# KiCad board register-motherboard - Copy.kicad_pcb (continued)
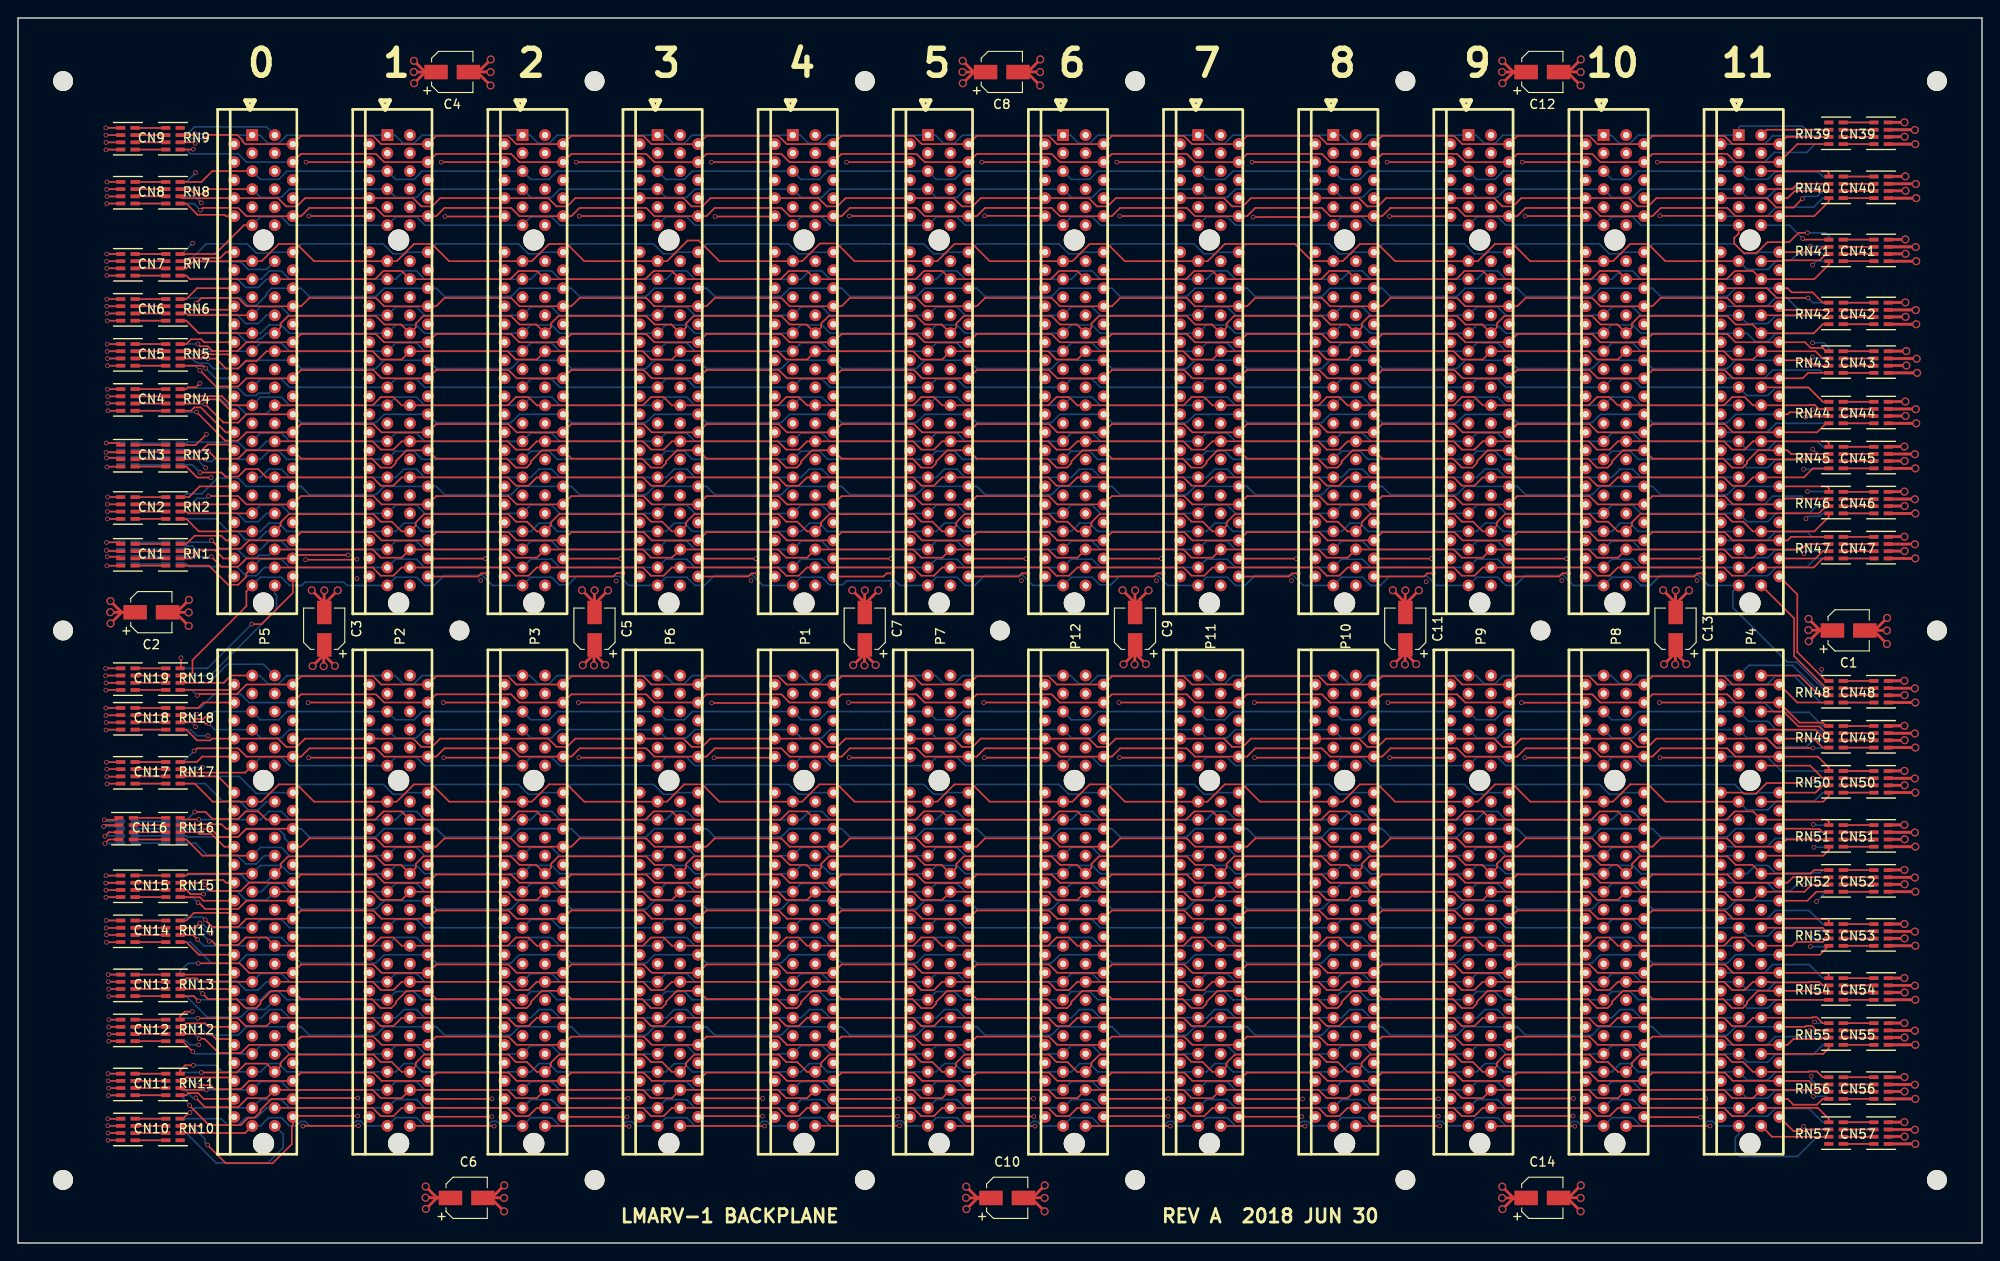
[diagram p0: board, top side]
## Routing (per net, layer and track width the routed paths; a pad name or vN(x,y) marks a point on that pad's centre or on a via; arc(x,y) is an arc through that point) (continued)
  Bottom w0.178: v1(199.04,18.52) 199.04,18.16 199.6,17.6 RN75.7
/rs2[1]: length 193.3
  Top w0.178: v1(19.45,19.73) 18.55,19.73 18,19.18 RN11.8
  Bottom w0.178: v1(19.45,19.73) 21.92,19.73 22.65,19 P5.92 26.92,19 27.84,19.92 28.94,19.92 29.86,19 P2.92 41.92,19 42.84,19.92 43.94,19.92 44.86,19 P3.92 56.92,19 57.84,19.92 58.94,19.92 59.86,19 P6.92 71.92,19 72.84,19.92 73.94,19.92 74.86,19 P1.92 86.92,19 87.84,19.92 88.94,19.92 89.86,19 P7.92 101.92,19 102.84,19.92 103.94,19.92 104.86,19 P12.92 116.92,19 117.84,19.92 118.94,19.92 119.86,19 P11.92 131.92,19 132.84,19.92 133.94,19.92 134.86,19 P10.92 146.92,19 147.84,19.92 148.94,19.92 149.86,19 P9.92 161.92,19 162.84,19.92 163.94,19.92 164.86,19 P8.92 176.92,19 177.84,19.92 178.94,19.92 179.86,19 P4.92 191.92,18.08 194.23,18.08 195.14,19 198.75,19 198.79,19.04 199.68,19.04 200.32,18.4 RN75.8
/rs2[2]: length 193.1
  Top w0.178: v1(19.4,21.25) 18.25,22.4 RN12.5
  Bottom w0.178: v1(19.4,21.25) 19.65,21 P5.90 26.92,21.92 29.23,21.92 30.14,21 P2.90 41.92,21.92 44.23,21.92 45.14,21 P3.90 56.92,21.92 59.23,21.92 60.14,21 P6.90 71.92,21.92 74.23,21.92 75.14,21 P1.90 86.92,21.92 89.23,21.92 90.14,21 P7.90 101.92,21.92 104.23,21.92 105.14,21 P12.90 116.92,21.92 119.23,21.92 120.14,21 P11.90 131.92,21.92 134.23,21.92 135.14,21 P10.90 146.92,21.92 149.23,21.92 150.14,21 P9.90 161.92,21.92 164.23,21.92 165.14,21 P8.90 176.92,21.92 179.23,21.92 180.14,21 P4.90 191.92,20.08 194.23,20.08 195.06,20.92 199.24,20.92 200.32,22 RN74.5
/rs2[3]: length 192.3
  Top w0.178: P5.89 23.35,22.65 21.99,22.65 21.44,23.2 RN12.6
  In2.Cu w0.178: P5.89 28.86,22 29.77,22.92 38.08,22.92 P2.89 43.86,22 44.77,22.92 53.08,22.92 P3.89 58.86,22 59.77,22.92 68.08,22.92 P6.89 73.86,22 74.77,22.92 83.08,22.92 P1.89 88.86,22 89.77,22.92 98.08,22.92 P7.89 103.86,22 104.77,22.92 113.08,22.92 P12.89 118.86,22 119.77,22.92 128.08,22.92 P11.89 133.86,22 134.77,22.92 143.08,22.92 P10.89 148.86,22 149.77,22.92 158.08,22.92 P9.89 163.86,22 164.77,22.92 173.08,22.92 P8.89 178.86,22 179.77,22.92 188.08,22.92 P4.89
  Bottom w0.178: P4.89 194.14,22 195.06,22.92 200.21,22.92 200.32,22.8 RN74.6
/rs2[4]: length 192.3
  Top w0.178: RN12.7 18.3,24 18.68,24.38 20.77,24.38 21.14,24 P5.87
  In2.Cu w0.178: P5.87 28.86,24 29.77,24.92 38.08,24.92 P2.87 43.86,24 44.77,24.92 53.08,24.92 P3.87 58.86,24 59.77,24.92 68.08,24.92 P6.87 73.86,24 74.77,24.92 83.08,24.92 P1.87 88.86,24 89.77,24.92 98.08,24.92 P7.87 103.86,24 104.77,24.92 113.08,24.92 P12.87 118.86,24 119.77,24.92 128.08,24.92 P11.87 133.86,24 134.77,24.92 143.08,24.92 P10.87 148.86,24 149.77,24.92 158.08,24.92 P9.87 163.86,24 164.77,24.92 173.08,24.92 P8.87 178.86,24 179.77,24.92 188.08,24.92 P4.87 193.86,24 194.77,23.08 198.5,23.08 198.89,23.47 v1(198.89,23.58)
  Bottom w0.178: RN74.7 200.98,23.58 v1(198.89,23.58)
/rs2[5]: length 193.4
  Top w0.178: RN12.8 18,25.18 18.5,25.68 v1(19.34,25.68)
  In2.Cu w0.178: v1(199.41,24.55) 198.96,25 194.96,25 193.89,26.07 192.84,26.07 192.42,25.65 191.65,25.65 P4.86 ; P5.86 23.64,25 22.96,25.68 v1(19.34,25.68)
  Bottom w0.178: P4.86 180.14,25 179.23,25.92 177.84,25.92 176.92,25 P8.86 165.14,25 164.23,25.92 162.84,25.92 161.92,25 P9.86 150.14,25 149.23,25.92 147.84,25.92 146.92,25 P10.86 135.14,25 134.23,25.92 132.84,25.92 131.92,25 P11.86 120.14,25 119.23,25.92 117.84,25.92 116.92,25 P12.86 105.14,25 104.23,25.92 102.84,25.92 101.92,25 P7.86 90.14,25 89.23,25.92 87.84,25.92 86.92,25 P1.86 75.14,25 74.23,25.92 72.84,25.92 71.92,25 P6.86 60.14,25 59.23,25.92 57.84,25.92 56.92,25 P3.86 45.14,25 44.23,25.92 42.84,25.92 41.92,25 P2.86 30.14,25 29.23,25.92 27.92,25.92 27,25 P5.86 ; v1(199.41,24.55) 199.56,24.4 RN74.8
/rs2[6]: length 192.4
  Top w0.178: v1(20.03,26.88) 19.51,27.4 RN13.5
  Bottom w0.178: RN73.5 195.14,27 194.23,26.08 191.92,26.08 P4.84 179.86,27 178.94,27.92 176.92,27.92 P8.84 164.86,27 163.94,27.92 161.92,27.92 P9.84 149.86,27 148.94,27.92 146.92,27.92 P10.84 134.86,27 133.94,27.92 131.92,27.92 P11.84 119.86,27 118.94,27.92 116.92,27.92 P12.84 104.86,27 103.94,27.92 101.92,27.92 P7.84 89.86,27 88.94,27.92 86.92,27.92 P1.84 74.86,27 73.94,27.92 71.92,27.92 P6.84 59.86,27 58.94,27.92 56.92,27.92 P3.84 44.86,27 43.94,27.92 41.92,27.92 P2.84 29.86,27 28.94,27.92 27.84,27.92 26.92,27 P5.84 20.15,27 v1(20.03,26.88)
/rs2[7]: length 192.3
  Top w0.178: P5.83 23.8,28.2 RN13.6
  In2.Cu w0.178: P5.83 28.86,28 29.77,28.92 37.16,28.92 38.08,28 P2.83 43.86,28 44.77,28.92 52.16,28.92 53.08,28 P3.83 58.86,28 59.77,28.92 67.16,28.92 68.08,28 P6.83 73.86,28 74.77,28.92 82.16,28.92 83.08,28 P1.83 88.86,28 89.77,28.92 97.16,28.92 98.08,28 P7.83 103.86,28 104.77,28.92 112.16,28.92 113.08,28 P12.83 118.86,28 119.77,28.92 127.16,28.92 128.08,28 P11.83 133.86,28 134.77,28.92 142.16,28.92 143.08,28 P10.83 148.86,28 149.77,28.92 157.16,28.92 158.08,28 P9.83 163.86,28 164.77,28.92 172.16,28.92 173.08,28 P8.83 178.86,28 179.77,28.92 187.16,28.92 188.08,28 P4.83 193.86,28 194.77,28.92 198.65,28.92 v1(199.1,28.47)
  Bottom w0.178: v1(199.1,28.47) 199.77,27.8 RN73.6
/rs2[8]: length 192.6
  Top w0.178: RN13.7 18.3,29 18.68,29.38 19.85,29.38 20.22,29 P5.82
  Bottom w0.178: P5.82 26.92,29.92 29.23,29.92 30.14,29 P2.82 41.92,29.92 44.23,29.92 45.14,29 P3.82 56.92,29.92 59.23,29.92 60.14,29 P6.82 71.92,29.92 74.23,29.92 75.14,29 P1.82 86.92,29.92 89.23,29.92 90.14,29 P7.82 101.92,29.92 104.23,29.92 105.14,29 P12.82 116.92,29.92 119.23,29.92 120.14,29 P11.82 131.92,29.92 134.23,29.92 135.14,29 P10.82 146.92,29.92 149.23,29.92 150.14,29 P9.82 161.92,29.92 164.23,29.92 165.14,29 P8.82 176.92,29.92 179.23,29.92 180.14,29 P4.82 191.92,28.08 194.23,28.08 195.06,28.92 198.78,28.92 198.85,28.99 199.93,28.99 200.32,28.6 RN73.7
/rs2[9]: length 192.4
  Top w0.178: P5.81 23.8,29.8 RN13.8
  In2.Cu w0.178: P5.81 28.86,30 29.77,30.92 37.16,30.92 38.08,30 P2.81 43.86,30 44.77,30.92 52.16,30.92 53.08,30 P3.81 58.86,30 59.77,30.92 67.16,30.92 68.08,30 P6.81 73.86,30 74.77,30.92 82.16,30.92 83.08,30 P1.81 88.86,30 89.77,30.92 97.16,30.92 98.08,30 P7.81 103.86,30 104.77,30.92 112.16,30.92 113.08,30 P12.81 118.86,30 119.77,30.92 127.16,30.92 128.08,30 P11.81 133.86,30 134.77,30.92 142.16,30.92 143.08,30 P10.81 148.86,30 149.77,30.92 157.16,30.92 158.08,30 P9.81 163.86,30 164.77,30.92 172.16,30.92 173.08,30 P8.81 178.86,30 179.77,30.92 187.16,30.92 188.08,30 P4.81
  Bottom w0.178: RN73.8 200.32,29.4 198.81,30.92 194.77,30.92 193.86,30 P4.81
/rs2[10]: length 192.4
  Top w0.178: RN14.5 18.68,33.4 20.08,32 P5.79
  In2.Cu w0.178: P5.79 28.86,32 29.77,32.92 38.08,32.92 P2.79 43.86,32 44.77,32.92 53.08,32.92 P3.79 58.86,32 59.77,32.92 68.08,32.92 P6.79 73.86,32 74.77,32.92 83.08,32.92 P1.79 88.86,32 89.77,32.92 98.08,32.92 P7.79 103.86,32 104.77,32.92 113.08,32.92 P12.79 118.86,32 119.77,32.92 128.08,32.92 P11.79 133.86,32 134.77,32.92 143.08,32.92 P10.79 148.86,32 149.77,32.92 158.08,32.92 P9.79 163.86,32 164.77,32.92 173.08,32.92 P8.79 178.86,32 179.77,32.92 188.08,32.92 P4.79 194.14,32 195.06,32.92 197.9,32.92 197.92,32.9 v1(198.95,32.9)
  Bottom w0.178: RN72.5 200.9,32.9 v1(198.95,32.9)
/rs2[11]: length 193.1
  Top w0.178: RN14.6 19.42,34.2 v1(19.94,33.68)
  In2.Cu w0.178: v1(198.85,34.3) 198.23,34.92 195.06,34.92 194.23,34.08 193,34.08 191.92,33 P4.78
  Bottom w0.178: P4.78 180.14,33 179.23,33.92 176.92,33.92 P8.78 165.14,33 164.23,33.92 161.92,33.92 P9.78 150.14,33 149.23,33.92 146.92,33.92 P10.78 135.14,33 134.23,33.92 131.92,33.92 P11.78 120.14,33 119.23,33.92 116.92,33.92 P12.78 105.14,33 104.23,33.92 101.92,33.92 P7.78 90.14,33 89.23,33.92 86.92,33.92 P1.78 75.14,33 74.23,33.92 71.92,33.92 P6.78 60.14,33 59.23,33.92 56.92,33.92 P3.78 45.14,33 44.23,33.92 41.92,33.92 P2.78 30.14,33 29.23,33.92 26.92,33.92 P5.78 21.47,33 21.46,32.99 20.63,32.99 v1(19.94,33.68) ; v1(198.85,34.3) 199.35,33.8 RN72.6
/rs2[12]: length 192.6
  Top w0.178: v1(20.19,35.52) 19.67,35 RN14.7
  Bottom w0.178: v1(20.19,35.52) 20.35,35.36 20.57,35.36 20.92,35 P5.76 26.92,35.92 29.23,35.92 30.14,35 P2.76 41.92,35.92 44.23,35.92 45.14,35 P3.76 56.92,35.92 59.23,35.92 60.14,35 P6.76 71.92,35.92 74.23,35.92 75.14,35 P1.76 86.92,35.92 89.23,35.92 90.14,35 P7.76 101.92,35.92 104.23,35.92 105.14,35 P12.76 116.92,35.92 119.23,35.92 120.14,35 P11.76 131.92,35.92 134.23,35.92 135.14,35 P10.76 146.92,35.92 149.23,35.92 150.14,35 P9.76 161.92,35.92 164.23,35.92 165.14,35 P8.76 176.92,35.92 179.23,35.92 180.14,35 P4.76 191.92,34.08 194.23,34.08 195.06,34.92 200.01,34.92 200.32,34.6 RN72.7
/rs2[13]: length 193
  Top w0.178: RN14.8 18.68,35.8 19.53,36.65 23.35,36.65 P5.75
  In2.Cu w0.178: P5.75 28.86,36 29.77,36.92 38.08,36.92 P2.75 43.86,36 44.77,36.92 53.08,36.92 P3.75 58.86,36 59.77,36.92 68.08,36.92 P6.75 73.86,36 74.77,36.92 83.08,36.92 P1.75 88.86,36 89.77,36.92 98.08,36.92 P7.75 103.86,36 104.77,36.92 113.08,36.92 P12.75 118.86,36 119.77,36.92 128.08,36.92 P11.75 133.86,36 134.77,36.92 143.08,36.92 P10.75 148.86,36 149.77,36.92 158.08,36.92 P9.75 163.86,36 164.77,36.92 173.08,36.92 P8.75 178.86,36 179.77,36.92 188.08,36.92 P4.75
  Bottom w0.178: RN72.8 200.32,35.4 198.81,36.92 195.06,36.92 194.14,36 P4.75
/rs2[14]: length 192.7
  Top w0.178: RN15.5 18.68,38.4 18.69,38.38 20.18,38.38 20.57,38 P5.73
  In2.Cu w0.178: P5.73 28.86,38 29.77,38.92 37.16,38.92 38.08,38 P2.73 43.86,38 44.77,38.92 52.16,38.92 53.08,38 P3.73 58.86,38 59.77,38.92 67.16,38.92 68.08,38 P6.73 73.86,38 74.77,38.92 82.16,38.92 83.08,38 P1.73 88.86,38 89.77,38.92 97.16,38.92 98.08,38 P7.73 103.86,38 104.77,38.92 112.16,38.92 113.08,38 P12.73 118.86,38 119.77,38.92 127.16,38.92 128.08,38 P11.73 133.86,38 134.77,38.92 142.16,38.92 143.08,38 P10.73 148.86,38 149.77,38.92 157.16,38.92 158.08,38 P9.73 163.86,38 164.77,38.92 172.16,38.92 173.08,38 P8.73 178.86,38 179.77,38.92 187.16,38.92 188.08,38 P4.73 194.14,38 195.06,37.08 198.8,37.08 199.63,37.91 v1(199.63,37.92)
  Bottom w0.178: v1(199.63,37.92) 200.71,39 RN71.5
/rs2[15]: length 192.7
  Top w0.178: RN15.6 18.68,39.2 19.14,38.74 v1(20.6,38.74)
  In2.Cu w0.178: v1(20.6,38.74) 20.9,38.74 21.16,39 P5.72 ; P4.72 191.92,39.92 194.23,39.92 195.06,39.08 197.59,39.08 v1(198.27,39.76)
  Bottom w0.178: P4.72 180.14,39 179.23,39.92 176.92,39.92 P8.72 165.14,39 164.23,39.92 161.92,39.92 P9.72 150.14,39 149.23,39.92 146.92,39.92 P10.72 135.14,39 134.23,39.92 131.92,39.92 P11.72 120.14,39 119.23,39.92 116.92,39.92 P12.72 105.14,39 104.23,39.92 101.92,39.92 P7.72 90.14,39 89.23,39.92 86.92,39.92 P1.72 75.14,39 74.23,39.92 71.92,39.92 P6.72 60.14,39 59.23,39.92 56.92,39.92 P3.72 45.14,39 44.23,39.92 41.92,39.92 P2.72 30.14,39 29.23,39.92 27.92,39.92 27,39 P5.72 ; RN71.6 200.96,39.76 v1(198.27,39.76)
/rs2[16]: length 192.5
  Top w0.178: RN1.8 18.68,77.6 19.6,78.52 22.56,78.52 23.08,78 P5.44
  In2.Cu w0.178: P4.44 188.08,78 187.16,78.92 179.77,78.92 178.86,78 P8.44 173.08,78 172.16,78.92 164.77,78.92 163.86,78 P9.44 158.08,78 157.16,78.92 149.77,78.92 148.86,78 P10.44 143.08,78 142.16,78.92 134.77,78.92 133.86,78 P11.44 128.08,78 127.16,78.92 119.77,78.92 118.86,78 P12.44 113.08,78 112.16,78.92 104.77,78.92 103.86,78 P7.44 98.08,78 97.16,78.92 89.77,78.92 88.86,78 P1.44 83.08,78 82.16,78.92 74.77,78.92 73.86,78 P6.44 68.08,78 67.16,78.92 59.77,78.92 58.86,78 P3.44 53.08,78 52.16,78.92 44.77,78.92 43.86,78 P2.44 38.08,78 37.16,78.92 29.77,78.92 28.86,78 P5.44
  Bottom w0.178: RN66.8 199.13,78.4 198.61,78.92 195.06,78.92 194.14,78 P4.44
/rs2[17]: length 193.2
  Top w0.178: P5.43 20.08,79 18.68,80.4 RN2.5
  In2.Cu w0.178: v1(198.46,80.42) 198.43,80.42 197.93,80.92 195.06,80.92 194.23,80.08 193.23,80.08 192.79,79.65 191.65,79.65 P4.43
  Bottom w0.178: P4.43 179.86,79 178.94,79.92 177.84,79.92 176.92,79 P8.43 164.86,79 163.94,79.92 162.84,79.92 161.92,79 P9.43 149.86,79 148.94,79.92 147.84,79.92 146.92,79 P10.43 134.86,79 133.94,79.92 132.84,79.92 131.92,79 P11.43 119.86,79 118.94,79.92 117.84,79.92 116.92,79 P12.43 104.86,79 103.94,79.92 102.84,79.92 101.92,79 P7.43 89.86,79 88.94,79.92 87.84,79.92 86.92,79 P1.43 74.86,79 73.94,79.92 72.84,79.92 71.92,79 P6.43 59.86,79 58.94,79.92 57.84,79.92 56.92,79 P3.43 44.86,79 43.94,79.92 42.84,79.92 41.92,79 P2.43 29.86,79 28.94,79.92 27.84,79.92 26.92,79 P5.43 ; v1(198.46,80.42) 198.71,80.67 200,80.67 200.32,81 RN65.5
/rs2[18]: length 192.5
  Top w0.178: RN2.6 18.68,81.2 18.88,81 P5.41
  Bottom w0.178: RN65.6 199.6,81.8 198.88,81.08 195.23,81.08 194.23,80.08 191.92,80.08 P4.41 180.14,81 179.23,81.92 176.92,81.92 P8.41 165.14,81 164.23,81.92 161.92,81.92 P9.41 150.14,81 149.23,81.92 146.92,81.92 P10.41 135.14,81 134.23,81.92 131.92,81.92 P11.41 120.14,81 119.23,81.92 116.92,81.92 P12.41 105.14,81 104.23,81.92 101.92,81.92 P7.41 90.14,81 89.23,81.92 86.92,81.92 P1.41 75.14,81 74.23,81.92 71.92,81.92 P6.41 60.14,81 59.23,81.92 56.92,81.92 P3.41 45.14,81 44.23,81.92 41.92,81.92 P2.41 30.14,81 29.23,81.92 26.92,81.92 P5.41
/rs2[19]: length 191.9
  Top w0.178: RN2.7 P5.40
  In2.Cu w0.178: P4.40 188.08,82.92 179.77,82.92 178.86,82 P8.40 173.08,82.92 164.77,82.92 163.86,82 P9.40 158.08,82.92 149.77,82.92 148.86,82 P10.40 143.08,82.92 134.77,82.92 133.86,82 P11.40 128.08,82.92 119.77,82.92 118.86,82 P12.40 113.08,82.92 104.77,82.92 103.86,82 P7.40 98.08,82.92 89.77,82.92 88.86,82 P1.40 83.08,82.92 74.77,82.92 73.86,82 P6.40 68.08,82.92 59.77,82.92 58.86,82 P3.40 53.08,82.92 44.77,82.92 43.86,82 P2.40 38.08,82.92 29.77,82.92 28.86,82 P5.40
  Bottom w0.178: RN65.7 198.28,82.6 197.96,82.92 194.77,82.92 193.86,82 P4.40
/rs2[20]: length 192.4
  Top w0.178: RN2.8 18.96,82.8 20.16,84 P5.38
  In2.Cu w0.178: P5.38 28.86,84 29.77,84.92 38.08,84.92 P2.38 43.86,84 44.77,84.92 53.08,84.92 P3.38 58.86,84 59.77,84.92 68.08,84.92 P6.38 73.86,84 74.77,84.92 83.08,84.92 P1.38 88.86,84 89.77,84.92 98.08,84.92 P7.38 103.86,84 104.77,84.92 113.08,84.92 P12.38 118.86,84 119.77,84.92 128.08,84.92 P11.38 133.86,84 134.77,84.92 143.08,84.92 P10.38 148.86,84 149.77,84.92 158.08,84.92 P9.38 163.86,84 164.77,84.92 173.08,84.92 P8.38 178.86,84 179.77,84.92 188.08,84.92 P4.38 194.14,84 195.06,83.08 198.09,83.08 198.44,83.43 v1(198.63,83.43)
  Bottom w0.178: RN65.8 200.97,83.43 v1(198.63,83.43)
/rs2[21]: length 193.1
  Top w0.178: v1(21.43,84.98) 19.9,84.98 18.68,86.2 RN3.5
  In2.Cu w0.178: P5.37 21.45,85 v1(21.43,84.98) ; P4.37 191.92,85 193,86.08 194.06,86.08 195.06,85.08 197.39,85.08 v1(198.21,85.9)
  Bottom w0.178: P4.37 180.14,85 179.23,85.92 177.84,85.92 176.92,85 P8.37 165.14,85 164.23,85.92 162.84,85.92 161.92,85 P9.37 150.14,85 149.23,85.92 147.84,85.92 146.92,85 P10.37 135.14,85 134.23,85.92 132.84,85.92 131.92,85 P11.37 120.14,85 119.23,85.92 117.84,85.92 116.92,85 P12.37 105.14,85 104.23,85.92 102.84,85.92 101.92,85 P7.37 90.14,85 89.23,85.92 87.84,85.92 86.92,85 P1.37 75.14,85 74.23,85.92 72.84,85.92 71.92,85 P6.37 60.14,85 59.23,85.92 57.84,85.92 56.92,85 P3.37 45.14,85 44.23,85.92 42.84,85.92 41.92,85 P2.37 30.14,85 29.23,85.92 27.84,85.92 26.92,85 P5.37 ; v1(198.21,85.9) 200.9,85.9 RN64.5
/rs2[22]: length 192.3
  Top w0.178: RN3.6 20.74,87 v1(20.76,87.02)
  Bottom w0.178: RN64.6 200.32,86.8 200.21,86.92 195.06,86.92 194.23,86.08 191.92,86.08 P4.35 179.86,87 178.94,87.92 176.92,87.92 P8.35 164.86,87 163.94,87.92 161.92,87.92 P9.35 149.86,87 148.94,87.92 146.92,87.92 P10.35 134.86,87 133.94,87.92 131.92,87.92 P11.35 119.86,87 118.94,87.92 116.92,87.92 P12.35 104.86,87 103.94,87.92 101.92,87.92 P7.35 89.86,87 88.94,87.92 86.92,87.92 P1.35 74.86,87 73.94,87.92 71.92,87.92 P6.35 59.86,87 58.94,87.92 56.92,87.92 P3.35 44.86,87 43.94,87.92 41.92,87.92 P2.35 29.86,87 28.94,87.92 27.84,87.92 26.92,87 P5.35 21.76,87 21.53,86.77 21.01,86.77 v1(20.76,87.02)
/rs2[23]: length 192.9
  Top w0.178: RN3.7 20.2,87.8 21.05,88.65 23.35,88.65 P5.34
  In2.Cu w0.178: v1(199.19,88.14) 199.09,88.14 198.31,88.92 195.06,88.92 194.14,88 P4.34 188.08,88 187.16,88.92 179.77,88.92 178.86,88 P8.34 173.08,88 172.16,88.92 164.77,88.92 163.86,88 P9.34 158.08,88 157.16,88.92 149.77,88.92 148.86,88 P10.34 143.08,88 142.16,88.92 134.77,88.92 133.86,88 P11.34 128.08,88 127.16,88.92 119.77,88.92 118.86,88 P12.34 113.08,88 112.16,88.92 104.77,88.92 103.86,88 P7.34 98.08,88 97.16,88.92 89.77,88.92 88.86,88 P1.34 83.08,88 82.16,88.92 74.77,88.92 73.86,88 P6.34 68.08,88 67.16,88.92 59.77,88.92 58.86,88 P3.34 53.08,88 52.16,88.92 44.77,88.92 43.86,88 P2.34 38.08,88 37.16,88.92 29.77,88.92 28.86,88 P5.34
  Bottom w0.178: RN64.7 199.73,87.6 v1(199.19,88.14)
/rs2[24]: length 193.2
  Top w0.178: RN3.8 19.73,88.6 v1(20.91,89.78)
  In2.Cu w0.178: v1(20.91,89.78) 21.69,89 P5.33
  Bottom w0.178: RN64.8 200.32,88.4 199.74,88.98 195.12,88.98 194.23,88.08 191.92,88.08 P4.33 180.14,89 179.23,89.92 176.92,89.92 P8.33 165.14,89 164.23,89.92 161.92,89.92 P9.33 150.14,89 149.23,89.92 146.92,89.92 P10.33 135.14,89 134.23,89.92 131.92,89.92 P11.33 120.14,89 119.23,89.92 116.92,89.92 P12.33 105.14,89 104.23,89.92 101.92,89.92 P7.33 90.14,89 89.23,89.92 86.92,89.92 P1.33 75.14,89 74.23,89.92 71.92,89.92 P6.33 60.14,89 59.23,89.92 56.92,89.92 P3.33 45.14,89 44.23,89.92 41.92,89.92 P2.33 30.14,89 29.23,89.92 26.92,89.92 P5.33
/rs2[25]: length 193.1
  Top w0.178: RN4.5 19.2,92.4 19.57,92.77 20.29,92.77 23.06,90 P5.32
  In2.Cu w0.178: P4.32 188.08,90 187.16,90.92 179.77,90.92 178.86,90 P8.32 173.08,90 172.16,90.92 164.77,90.92 163.86,90 P9.32 158.08,90 157.16,90.92 149.77,90.92 148.86,90 P10.32 143.08,90 142.16,90.92 134.77,90.92 133.86,90 P11.32 128.08,90 127.16,90.92 119.77,90.92 118.86,90 P12.32 113.08,90 112.16,90.92 104.77,90.92 103.86,90 P7.32 98.08,90 97.16,90.92 89.77,90.92 88.86,90 P1.32 83.08,90 82.16,90.92 74.77,90.92 73.86,90 P6.32 68.08,90 67.16,90.92 59.77,90.92 58.86,90 P3.32 53.08,90 52.16,90.92 44.77,90.92 43.86,90 P2.32 38.08,90 37.16,90.92 29.77,90.92 28.86,90 P5.32
  Bottom w0.178: RN63.5 195.14,91 194.14,90 P4.32
/rs2[26]: length 193
  Top w0.178: RN4.6 20.05,93.2 20.51,93.66 22.34,93.66 P5.30
  In2.Cu w0.178: v1(198.44,91.7) 198.44,91.58 197.94,91.08 194.77,91.08 193.86,92 P4.30 188.08,92.92 179.77,92.92 178.86,92 P8.30 173.08,92.92 164.77,92.92 163.86,92 P9.30 158.08,92.92 149.77,92.92 148.86,92 P10.30 143.08,92.92 134.77,92.92 133.86,92 P11.30 128.08,92.92 119.77,92.92 118.86,92 P12.30 113.08,92.92 104.77,92.92 103.86,92 P7.30 98.08,92.92 89.77,92.92 88.86,92 P1.30 83.08,92.92 74.77,92.92 73.86,92 P6.30 68.08,92.92 59.77,92.92 58.86,92 P3.30 53.08,92.92 44.77,92.92 43.86,92 P2.30 38.08,92.92 29.77,92.92 28.86,92 P5.30
  Bottom w0.178: v1(198.44,91.7) 200.9,91.7 RN63.6
/rs2[27]: length 192.8
  Top w0.178: RN4.7 20.35,94 20.36,94.02 22.63,94.02 23.64,93 P5.29
  In2.Cu w0.178: v1(199.18,92.52) 198.75,92.52 198.35,92.92 195.23,92.92 194.23,93.92 193.06,93.92 192.14,93 P4.29
  Bottom w0.178: P4.29 180.14,93 179.23,93.92 176.92,93.92 P8.29 165.14,93 164.23,93.92 161.92,93.92 P9.29 150.14,93 149.23,93.92 146.92,93.92 P10.29 135.14,93 134.23,93.92 131.92,93.92 P11.29 120.14,93 119.23,93.92 116.92,93.92 P12.29 105.14,93 104.23,93.92 101.92,93.92 P7.29 90.14,93 89.23,93.92 86.92,93.92 P1.29 75.14,93 74.23,93.92 71.92,93.92 P6.29 60.14,93 59.23,93.92 56.92,93.92 P3.29 45.14,93 44.23,93.92 41.92,93.92 P2.29 30.14,93 29.23,93.92 26.92,93.92 P5.29 ; v1(199.18,92.52) 200.92,92.52 RN63.7
/rs2[28]: length 193.2
  Top w0.178: v1(20.2,95.45) 19.75,95 18.88,95 18.68,94.8 RN4.8
  In2.Cu w0.178: v1(20.2,95.45) 20.65,95 P5.27
  Bottom w0.178: RN63.8 200.32,93.4 198.81,94.92 195.06,94.92 194.23,94.08 191.92,94.08 P4.27 180.14,95 179.23,95.92 176.92,95.92 P8.27 165.14,95 164.23,95.92 161.92,95.92 P9.27 150.14,95 149.23,95.92 146.92,95.92 P10.27 135.14,95 134.23,95.92 131.92,95.92 P11.27 120.14,95 119.23,95.92 116.92,95.92 P12.27 105.14,95 104.23,95.92 101.92,95.92 P7.27 90.14,95 89.23,95.92 86.92,95.92 P1.27 75.14,95 74.23,95.92 71.92,95.92 P6.27 60.14,95 59.23,95.92 56.92,95.92 P3.27 45.14,95 44.23,95.92 41.92,95.92 P2.27 30.14,95 29.23,95.92 26.92,95.92 P5.27
/rs2[29]: length 192.4
  Top w0.178: RN5.5 20.55,97.4 v1(20.83,97.11)
  In2.Cu w0.178: P4.26 188.08,96.92 179.77,96.92 178.86,96 P8.26 173.08,96.92 164.77,96.92 163.86,96 P9.26 158.08,96.92 149.77,96.92 148.86,96 P10.26 143.08,96.92 134.77,96.92 133.86,96 P11.26 128.08,96.92 119.77,96.92 118.86,96 P12.26 113.08,96.92 104.77,96.92 103.86,96 P7.26 98.08,96.92 89.77,96.92 88.86,96 P1.26 83.08,96.92 74.77,96.92 73.86,96 P6.26 68.08,96.92 59.77,96.92 58.86,96 P3.26 53.08,96.92 44.77,96.92 43.86,96 P2.26 38.08,96.92 29.77,96.92 28.86,96 P5.26
  Bottom w0.178: v1(20.83,97.11) 21.95,96 P5.26 ; RN62.5 200.32,96.6 200.01,96.92 194.77,96.92 193.86,96 P4.26
/rs2[30]: length 193.5
  Top w0.178: P5.24 23.35,98.65 21.44,98.65 21.38,98.71 20.84,98.71 20.33,98.2 RN5.6
  In2.Cu w0.178: v1(198.61,97.44) 198.25,97.08 195.22,97.08 194.23,96.08 192.86,96.08 192.58,96.36 192.58,96.77 191.36,98 P4.24 188.08,98 187.16,98.92 179.77,98.92 178.86,98 P8.24 173.08,98 172.16,98.92 164.77,98.92 163.86,98 P9.24 158.08,98 157.16,98.92 149.77,98.92 148.86,98 P10.24 143.08,98 142.16,98.92 134.77,98.92 133.86,98 P11.24 128.08,98 127.16,98.92 119.77,98.92 118.86,98 P12.24 113.08,98 112.16,98.92 104.77,98.92 103.86,98 P7.24 98.08,98 97.16,98.92 89.77,98.92 88.86,98 P1.24 83.08,98 82.16,98.92 74.77,98.92 73.86,98 P6.24 68.08,98 67.16,98.92 59.77,98.92 58.86,98 P3.24 53.08,98 52.16,98.92 44.77,98.92 43.86,98 P2.24 38.08,98 37.16,98.92 29.77,98.92 28.86,98 P5.24
  Bottom w0.178: v1(198.61,97.44) 198.65,97.4 RN62.6
/rs2[31]: length 192.6
  Top w0.178: RN5.7 20.04,99 v1(20.19,98.85)
  In2.Cu w0.178: v1(199.18,98.36) 198.57,98.98 195.12,98.98 194.23,98.08 191.92,98.08 P4.23
  Bottom w0.178: P4.23 180.14,99 179.23,99.92 176.92,99.92 P8.23 165.14,99 164.23,99.92 161.92,99.92 P9.23 150.14,99 149.23,99.92 146.92,99.92 P10.23 135.14,99 134.23,99.92 131.92,99.92 P11.23 120.14,99 119.23,99.92 116.92,99.92 P12.23 105.14,99 104.23,99.92 101.92,99.92 P7.23 90.14,99 89.23,99.92 86.92,99.92 P1.23 75.14,99 74.23,99.92 71.92,99.92 P6.23 60.14,99 59.23,99.92 56.92,99.92 P3.23 45.14,99 44.23,99.92 41.92,99.92 P2.23 30.14,99 29.23,99.92 26.92,99.92 P5.23 20.34,99 v1(20.19,98.85) ; RN62.7 199.35,98.2 v1(199.18,98.36)
/rs2a[0]: length 209.5
  Top w0.178: P4.147 197.14,69.36 197.14,65.16 200.7,61.6 RN48.6
  In2.Cu w0.178: P6.147 76.05,73 76.6,73.55 v1(81.36,73.55) ; v1(111.36,73.55) 106.6,73.55 106.05,73 P7.147 ; P11.147 136.05,73 136.6,73.55 v1(141.36,73.55) ; P9.147 166.05,73 166.6,73.55 v1(171.36,73.55) ; P8.147 181.05,73 181.6,73.55 v1(186.36,73.55) ; P1.147 91.47,73 92.03,73.56 96.47,73.56 v1(97.02,73.01) ; P2.147 46.05,73 46.6,73.55 v1(51.36,73.55) ; P5.147 31.56,73 32.32,73.76 v1(37.62,73.76) ; v1(66.4,73.5) 61.55,73.5 61.05,73 P3.147 ; P10.147 151.05,73 151.46,73.41 v1(156.3,73.41) ; v1(126.36,73.53) 121.58,73.53 121.05,73 P12.147
  Vcc3.Cu w0.178: P1.147 87.58,73.92 85.27,73.92 84.36,73 81.92,73 v1(81.36,73.55) ; P10.147 147.58,73.92 145.27,73.92 144.36,73 141.92,73 v1(141.36,73.55) ; P12.147 117.58,73.92 115.27,73.92 114.36,73 111.92,73 v1(111.36,73.55) ; P4.147 192.58,73.92 190.27,73.92 189.36,73 186.92,73 v1(186.36,73.55) ; P8.147 177.58,73.92 175.27,73.92 174.36,73 171.92,73 v1(171.36,73.55) ; v1(97.02,73.01) 99.65,73.01 100.56,73.92 102.58,73.92 P7.147 ; v1(66.4,73.5) 66.9,73 69.36,73 70.27,73.92 72.58,73.92 P6.147 ; v1(126.36,73.53) 126.89,73 129.36,73 130.27,73.92 132.58,73.92 P11.147 ; v1(156.3,73.41) 156.71,73 159.36,73 160.27,73.92 162.58,73.92 P9.147 ; v1(51.36,73.55) 51.92,73 54.36,73 55.27,73.92 57.58,73.92 P3.147 ; P2.147 42.58,73.92 40.27,73.92 39.36,73 38.38,73 v1(37.62,73.76)
  Bottom w0.178: RN38.6 21.33,63 28.69,70.36 28.69,71.89 28.5,72.08 P5.147
/rs2a[1]: length 217.6
  Top w0.178: P6.146 81.07,74 81.42,74.35 v1(82.1,74.35) ; v1(97.1,74.35) 96.42,74.35 96.07,74 P1.146 ; v1(112.1,74.35) 111.42,74.35 111.07,74 P7.146 ; v1(127.1,74.35) 126.42,74.35 126.07,74 P12.146 ; v1(142.1,74.35) 141.42,74.35 141.07,74 P11.146 ; v1(157.1,74.35) 156.42,74.35 156.07,74 P10.146 ; P9.146 171.07,74 171.42,74.35 v1(172.1,74.35) ; v1(187.1,74.35) 186.42,74.35 186.07,74 P8.146 ; v1(52.1,74.35) 51.42,74.35 51.07,74 P2.146 ; P3.146 66.07,74 66.46,74.39 v1(67.14,74.39) ; v1(37.62,75.92) 37.26,75.92 37.2,75.86 v1(31.93,75.86) ; v1(25.95,68.71) 27.04,68.71 30.5,72.17 P5.146 ; RN48.5 200.7,62.4 197.5,65.6 197.5,72 P4.146
  Vcc3.Cu w0.178: P3.146 59.58,74.92 59.58,75.27 58.94,75.92 55.27,75.92 54.44,75.08 52.83,75.08 v1(52.1,74.35) ; P1.146 89.58,74.92 89.58,75.27 88.94,75.92 85.27,75.92 84.44,75.08 82.83,75.08 v1(82.1,74.35) ; P10.146 149.58,74.92 149.58,75.27 148.94,75.92 145.27,75.92 144.44,75.08 142.83,75.08 v1(142.1,74.35) ; P11.146 134.58,74.92 134.58,75.27 133.94,75.92 130.27,75.92 129.44,75.08 127.83,75.08 v1(127.1,74.35) ; P7.146 104.58,74.92 104.58,75.27 103.94,75.92 100.27,75.92 99.44,75.08 97.83,75.08 v1(97.1,74.35) ; P12.146 119.58,74.92 119.58,75.27 118.94,75.92 115.27,75.92 114.44,75.08 112.83,75.08 v1(112.1,74.35) ; P4.146 194.58,74.92 194.58,75.27 193.94,75.92 190.27,75.92 189.44,75.08 187.83,75.08 v1(187.1,74.35) ; P8.146 179.58,74.92 179.58,75.27 178.94,75.92 175.27,75.92 174.44,75.08 172.83,75.08 v1(172.1,74.35) ; P9.146 164.58,74.92 164.58,75.27 163.94,75.92 160.27,75.92 159.44,75.08 157.83,75.08 v1(157.1,74.35) ; v1(37.62,75.92) 38.46,75.08 39.44,75.08 40.27,75.92 43.94,75.92 44.58,75.27 44.58,74.92 P2.146 ; P6.146 74.58,74.92 74.58,75.27 73.94,75.92 70.27,75.92 69.44,75.08 67.84,75.08 v1(67.14,74.39) ; v1(31.93,75.86) 31.93,75.43 P5.146
  Bottom w0.178: RN38.5 21.04,63.8 v1(25.95,68.71)
